# KiCad board VFDSAO.kicad_pcb (continued)
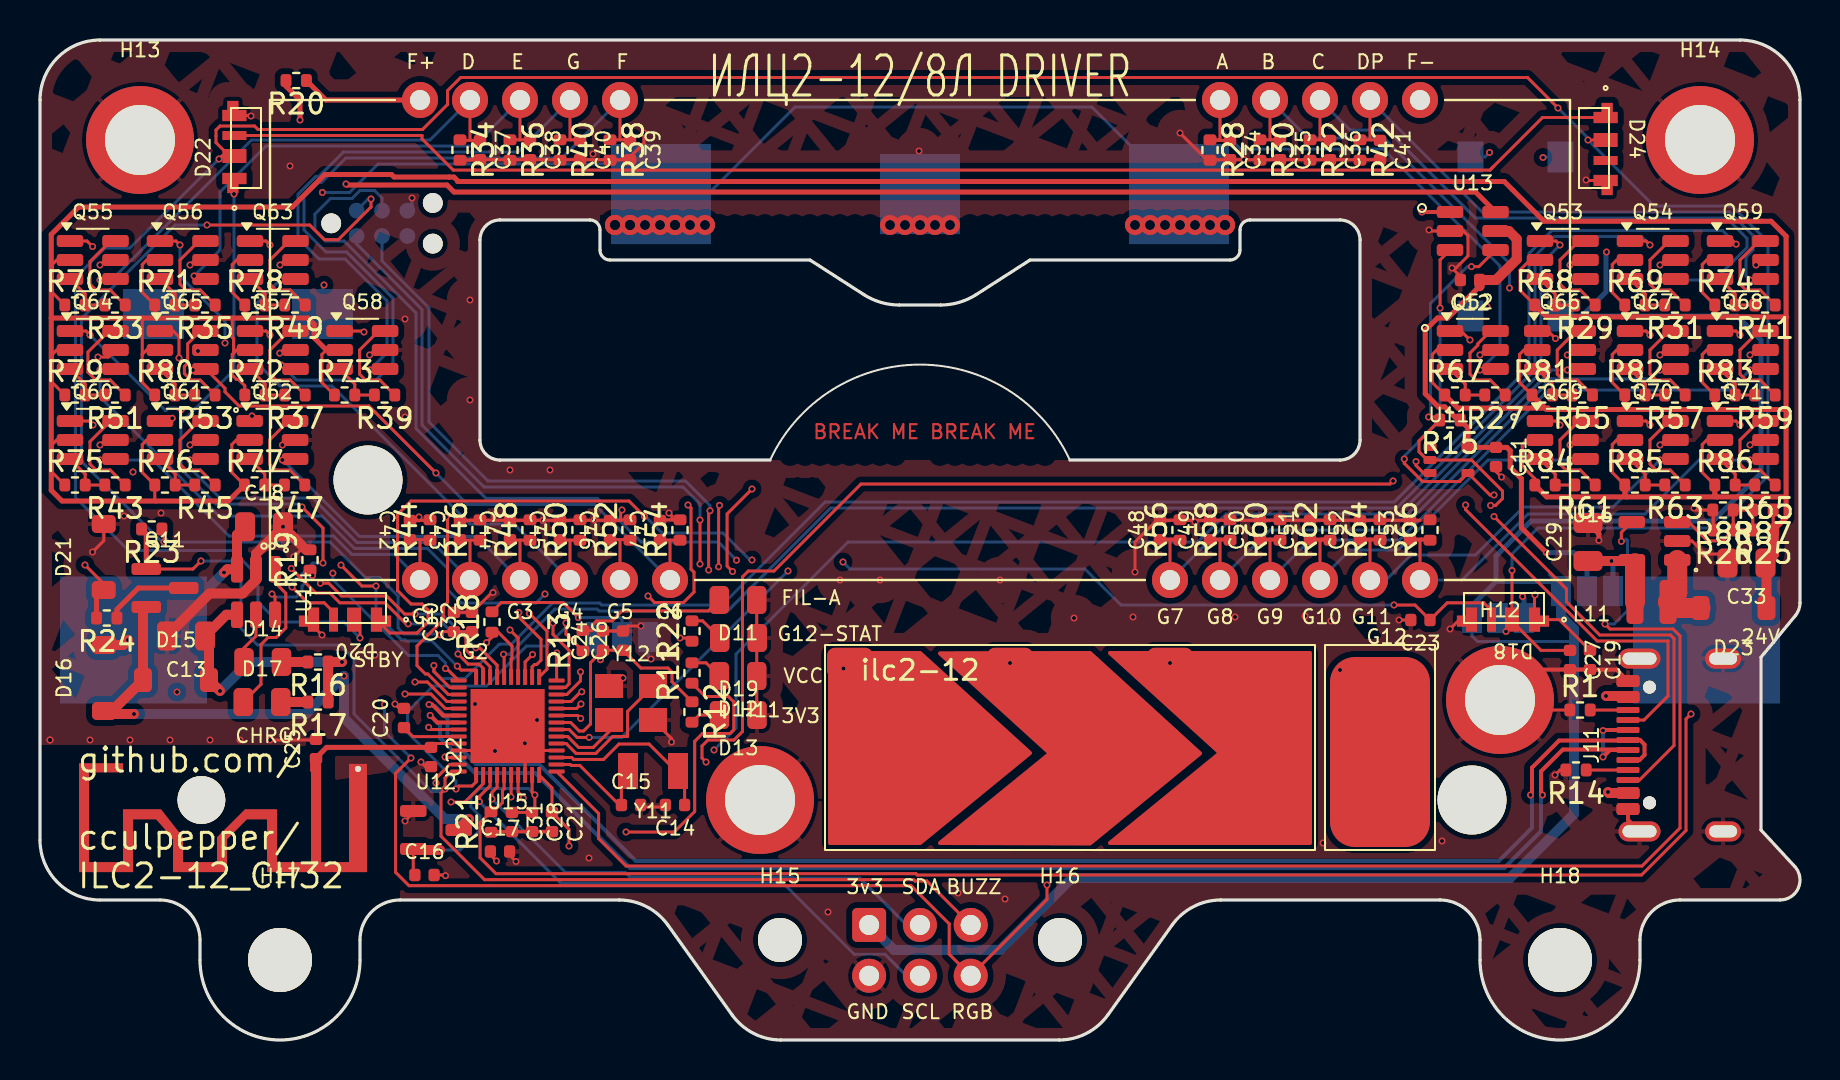
[diagram p0: board, top side]
## Nets
+3V3: C16.1 C24.1 C26.1 C28.1 C30.1 C31.1 C32.1 J12.1 J16.1 JP11.1 JP12.3 JP13.1 R12.1 R23.1 SW11.2 U12.2 U15.8 U15.22 U15.47
+5V: C13.1 D15.2 J11.A4 J11.A9 J11.B4 J11.B9 R16.1 R17.1 U14.4
+24V: C33.1 D23.1 Q52.2 Q53.2 Q54.2 Q55.2 Q56.2 Q57.2 Q58.2 Q59.2 Q60.2 Q61.2 Q62.2 Q63.2 Q64.2 Q65.2 Q66.2 Q67.2 Q68.2 Q69.2 Q70.2 Q71.2 R25.1 R67.1 R68.1 R69.1 R70.1 R71.1 R72.1 R73.1 R74.1 R75.1 R76.1 R77.1 R78.1 R79.1 R80.1 R81.1 R82.1 R83.1 R84.1 R85.1 R86.1 R87.1
/3v3_AN_A: Q52.1 U15.44
/3v3_AN_B: Q53.1 U15.45
/3v3_AN_C: Q54.1 U15.20
/3v3_AN_D: Q55.1 U15.21
/3v3_AN_DP: Q59.1 U15.26
/3v3_AN_E: Q56.1 U15.23
/3v3_AN_F: Q57.1 U15.24
/3v3_AN_G: Q58.1 U15.25
/3v3_G1: Q60.1 U15.17
/3v3_G2: Q61.1 U15.18
/3v3_G3: Q62.1 U15.13
/3v3_G4: Q63.1 U15.14
/3v3_G5: Q64.1 U15.15
/3v3_G6: Q65.1 U15.16
/3v3_G7: Q66.1 U15.27
/3v3_G8: Q67.1 U15.28
/3v3_G9: J11.B8 J12.2 Q68.1 U15.32
/3v3_G10: Q69.1 U15.29
/3v3_G11: Q70.1 R22.1 U15.37
/3v3_G12: J11.A8 J12.4 Q71.1 U15.36
GND: AE11.2 BT11.2 BTe11.2 BZ11.2 C11.2 C12.2 C13.2 C14.2 C15.2 C16.2 C17.2 C18.2 C19.2 C20.2 C21.2 C22.2 C23.2 C24.2 C25.2 C26.2 C27.2 C28.2 C29.2 C30.2 C31.2 C32.2 C33.2 C34.2 C35.2 C36.2 C37.2 C38.2 C39.2 C40.2 C41.2 C42.2 C43.2 C44.2 C45.2 C46.2 C47.2 C48.2 C49.2 C50.2 C51.2 C52.2 C53.2 D11.1 D12.1 D13.1 D18.4 D19.1 D20.4 D21.2 D22.4 D24.4 H11.1 H12.1 H13.1 H14.1 J11.A1 J11.A12 J11.B1 J11.B12 J11.S1 J12.5 J16.2 JP12.1 Q52.5 Q53.5 Q54.5 Q55.5 Q56.5 Q57.5 Q58.5 Q59.5 Q60.5 Q61.5 Q62.5 Q63.5 Q64.5 Q65.5 Q66.5 Q67.5 Q68.5 Q69.5 Q70.5 Q71.5 R1.1 R14.2 R19.2 R21.1 R26.2 R28.2 R30.2 R32.2 R34.2 R36.2 R38.2 R40.2 R42.2 R44.2 R46.2 R48.2 R50.2 R52.2 R54.2 R56.2 R58.2 R60.2 R62.2 R64.2 R66.2 R88.2 U11.3 U12.1 U13.2 U14.2 U15.4 U15.35 U15.46 U15.49 U16.2 Y12.2 Y12.4
VCC: C17.1 C29.1 D15.1 D16.1 JP11.3 JP13.3 L11.1 Q11.2 R11.1 U12.3 U16.5
+BATT: BT11.1 C18.1 D16.2 U14.3
/AnodeGateDrive1/OUT: C35.1 D25.7 Q53.4 R30.1
/AnodeGateDrive2/OUT: C36.1 D25.8 Q54.4 R32.1
/AnodeGateDrive3/OUT: C37.1 D25.2 Q55.4 R34.1
/AnodeGateDrive4/OUT: C38.1 D25.3 Q56.4 R36.1
/AnodeGateDrive5/OUT: C39.1 D25.5 Q57.4 R38.1
/AnodeGateDrive6/OUT: C40.1 D25.4 Q58.4 R40.1
/AnodeGateDrive7/OUT: C41.1 D25.9 Q59.4 R42.1
/AnodeGateDrive8/OUT: C42.1 D25.22 Q60.4 R44.1
/AnodeGateDrive9/OUT: C43.1 D25.21 Q61.4 R46.1
/AnodeGateDrive10/OUT: C44.1 D25.20 Q62.4 R48.1
/AnodeGateDrive11/OUT: C45.1 D25.19 Q63.4 R50.1
/AnodeGateDrive12/OUT: C46.1 D25.18 Q64.4 R52.1
/AnodeGateDrive13/OUT: C47.1 D25.17 Q65.4 R54.1
/AnodeGateDrive14/OUT: C48.1 D25.16 Q66.4 R56.1
/AnodeGateDrive15/OUT: C49.1 D25.15 Q67.4 R58.1
/AnodeGateDrive16/OUT: C50.1 D25.14 Q68.4 R60.1
/AnodeGateDrive17/OUT: C51.1 D25.13 Q69.4 R62.1
/AnodeGateDrive18/OUT: C52.1 D25.12 Q70.4 R64.1
/AnodeGateDrive19/OUT: C53.1 D25.11 Q71.4 R66.1
/AnodeGateDrive/OUT: C34.1 D25.6 Q52.4 R28.1
/BOOT0: R21.2 SW11.1 U15.43
/BOOT1: C19.1 D18.1 J16.6 R18.1 U15.19
/BZ_3v3: J16.5 Q11.1 R23.2 U15.38
/F+: D25.1 R20.1
/F-: D25.10 U13.1
/FIL_DRIVE_A: R13.1 R15.2 U11.2 U13.4 U15.39
/FIL_DRIVE_B: U11.4 U13.3 U15.40
/FIL_SUP: C11.1 C12.1 JP11.2 R15.1 U11.5 U13.5
/I2C_SCL: J16.4 U15.41
/I2C_SDA: J16.3 U15.42
/RGB_SUP: C27.1 D18.2 D20.2 D22.2 D24.2 JP13.2
/RST: J12.3 U15.7
/TOUCH1: J14.1 U15.9
/TOUCH2: J14.2 U15.10
/TOUCH3: J14.3 U15.11
/TOUCH4: J15.1 U15.12
/USB+: J11.A6 J11.B6 U15.31
/USB-: J11.A7 J11.B7 U15.30
/V_HI_EN: U15.1 U16.4
Net-(AE11-A): AE11.1 C22.1 C25.1 U15.34
Net-(BTe11-+): BTe11.1 C21.1 U15.48
Net-(BZ11-+): BZ11.1 D21.1 R24.2
Net-(D11-A): D11.2 R13.2
Net-(D12-A): D12.2 R11.2
Net-(D13-A): D13.2 R12.2
Net-(D14-A): D14.2 R16.2
Net-(D14-K): D14.1 U14.5
Net-(D17-A): D17.2 R17.2
Net-(D17-K): D17.1 U14.1
Net-(D18-DOUT): C23.1 D18.3 D20.1
Net-(D19-A): D19.2 R22.2
Net-(D20-DOUT): D20.3 D22.1
Net-(D22-DOUT): D22.3 D24.1
Net-(D23-A): D23.2 L11.2 U16.1
Net-(J11-CC1): J11.A5 R14.1
Net-(J11-CC2): J11.B5 R1.2
Net-(JP12-C): JP12.2 R18.2
Net-(Q11-D): Q11.3 R24.1
Net-(Q52A-D): Q52.6 R27.1
Net-(Q52B-G): Q52.3 R27.2 R67.2
Net-(Q53A-D): Q53.6 R29.1
Net-(Q53B-G): Q53.3 R29.2 R68.2
Net-(Q54A-D): Q54.6 R31.1
Net-(Q54B-G): Q54.3 R31.2 R69.2
Net-(Q55A-D): Q55.6 R33.1
Net-(Q55B-G): Q55.3 R33.2 R70.2
Net-(Q56A-D): Q56.6 R35.1
Net-(Q56B-G): Q56.3 R35.2 R71.2
Net-(Q57A-D): Q57.6 R37.1
Net-(Q57B-G): Q57.3 R37.2 R72.2
Net-(Q58A-D): Q58.6 R39.1
Net-(Q58B-G): Q58.3 R39.2 R73.2
Net-(Q59A-D): Q59.6 R41.1
Net-(Q59B-G): Q59.3 R41.2 R74.2
Net-(Q60A-D): Q60.6 R43.1
Net-(Q60B-G): Q60.3 R43.2 R75.2
Net-(Q61A-D): Q61.6 R45.1
Net-(Q61B-G): Q61.3 R45.2 R76.2
Net-(Q62A-D): Q62.6 R47.1
Net-(Q62B-G): Q62.3 R47.2 R77.2
Net-(Q63A-D): Q63.6 R49.1
Net-(Q63B-G): Q63.3 R49.2 R78.2
Net-(Q64A-D): Q64.6 R51.1
Net-(Q64B-G): Q64.3 R51.2 R79.2
Net-(Q65A-D): Q65.6 R53.1
Net-(Q65B-G): Q65.3 R53.2 R80.2
Net-(Q66A-D): Q66.6 R55.1
Net-(Q66B-G): Q66.3 R55.2 R81.2
Net-(Q67A-D): Q67.6 R57.1
Net-(Q67B-G): Q67.3 R57.2 R82.2
Net-(Q68A-D): Q68.6 R59.1
Net-(Q68B-G): Q68.3 R59.2 R83.2
Net-(Q69A-D): Q69.6 R61.1
Net-(Q69B-G): Q69.3 R61.2 R84.2
Net-(Q70A-D): Q70.6 R63.1
Net-(Q70B-G): Q70.3 R63.2 R85.2
Net-(Q71A-D): Q71.6 R65.1
Net-(Q71B-G): Q71.3 R65.2 R86.2
Net-(U13-OUT_A): R20.2 U13.6
Net-(U14-PROG): R19.1 U14.6
Net-(U15-OSC_IN): U15.5 Y12.3
Net-(U15-OSC_OUT): U15.6 Y12.1
Net-(U15-PC14/OSC32_IN): C15.1 U15.2 Y11.1
Net-(U15-PC15/OSC32_OUT): C14.1 U15.3 Y11.2
Net-(U15-VINTA): C20.1 U15.33
Net-(U16-FB): R25.2 R26.1 R87.2 R88.1 U16.3

Pads without a net: D24 3; J12 6; U11 1

## Via types
v1: diameter 0, hole 0.5, Top to Bottom, 44 vias
v2: diameter 0.35, hole 0.2, Top to Bottom, 273 vias
v3: diameter 1, hole 0.5, Top to Bottom, 23 vias

## Routing (per net, layer and track width the routed paths; a pad name or vN(x,y) marks a point on that pad's centre or on a via; arc(x,y) is an arc through that point)
+3V3: length 230.1
  Top w0.15: U15.47 24.61,12.39 v2(24.74,12.25) 24.74,11.52 C28.1 C31.1 ; v2(8.35,40.75) 13.48,40.75 14.22,40.01 14.91,40.01 16.55,41.65 v2(16.55,42.05) ; v2(20.02,20.25) 20.18,20.42 C30.1 C32.1 21.29,20.11 21.29,19.51 21.7,19.1 22.07,19.1 22.5,18.66 U15.22 ; R12.1 31.6,17.91 31.6,18.4 31.4,18.6 30.04,18.6 C26.1 C24.1 27.53,18.86 27.53,15.8 27.18,15.45 26.96,15.45 26.53,15.88 U15.8 ; U12.2 18.66,8.33 C16.1 ; v2(6.2,24.9) 6.2,25.45 R23.1
  Top w0.5: U12.2 18.71,9.5 v2(20,9.5)
  In1.Cu w0.15: v2(20.02,20.25) 20.13,20.37 22.48,20.37 22.95,19.9 27.13,19.9 v2(28.02,19.01)
  In2.Cu w0.15: v2(28.02,19.01) 27.91,18.9 26.84,18.9 23.25,15.31 23.25,14.55 24.74,13.06 v2(24.74,12.25)
  In2.Cu w0.25: v2(75.15,44.12) 75.15,42.58 v2(78.32,39.4)
  In2.Cu w0.5: v2(20,9.5) 21.6,7.9 39.31,7.9 J16.1
  Bottom w0.15: JP13.1 71.6,20.2 71.88,19.92 76.68,19.92 76.7,19.9 ; 75.47,23.28 76.05,22.7 JP11.1 ; v2(24.74,12.25) 24.42,12.58 21.97,12.58 21.54,12.14 21.54,11.66 22,11.2 22,10.5 21,9.5 v2(20,9.5) ; J12.1 16.41,42.05 v2(16.55,42.05) ; v2(8.35,40.75) 6.75,40.75 2.08,36.08 2.08,28.97 2.1,28.95 2.1,28.9 4.6,26.4 4.6,26.39 6.09,24.9 v2(6.2,24.9) 6.33,25.03 6.45,24.9 14.5,24.9 16.28,23.12 16.98,23.12 17.91,22.19 17.91,20.6 18.2,20.31 19.96,20.31 v2(20.02,20.25) ; v2(28.02,19.01) 27.8,19.23 JP12.3 ; v2(75.15,44.12) 75.18,44.15 SW11.2
  Bottom w0.25: 72.8,22.92 75.57,22.92 JP11.1 ; 72.8,22.92 72.8,24.2 74.55,25.95 83.66,25.95 86.05,28.34 86.05,35 84.85,36.2 SW11.2 77.1,36.2 78.3,37.4 78.3,39.38 v2(78.32,39.4) ; 72.8,22.92 71.6,21.72 JP13.1
  Bottom w0.5: J16.1 42.7,4.5 48,4.5 51.6,8.1 73.5,8.1 76.7,11.3 76.7,20.54 76.05,21.19 JP11.1
+5V: length 92.6
  Top w0.5: v2(78.3,17.2) 79.35,17.2 J11.A9 ; R17.1 R16.1 v2(15.1,18.9) ; v2(78.4,12.4) 78.45,12.35 J11.A4 ; U14.4 9.31,21.26 C13.1 8.45,20 D15.2 v2(9,17.45)
  In2.Cu w0.5: v2(15.1,18.9) 15.1,21.95 17.85,24.7 34.18,24.7 34.25,24.62 70.45,24.62 77.88,17.2 v2(78.3,17.2) 79.2,16.3 79.2,13.2 v2(78.4,12.4)
  Bottom w0.5: v2(15.1,18.9) 10.45,18.9 v2(9,17.45)
+24V: length 266.7
  Top w0.15: 9.64,34.31 9.84,34.5 Q57.2 ; 9.64,34.31 9.61,34.27 9.61,33.24 9.83,33.03 9.92,33.03 10.24,32.71 R72.1 ; 9.64,34.31 9.67,34.34 9.67,35.08 9.61,35.14 9.61,36.06 9.65,36.1 ; R82.1 78.61,32.88 78.61,34.27 78.84,34.5 Q67.2 ; R75.1 0.61,28.38 0.61,29.77 0.84,30 Q60.2 ; R80.1 5.11,32.88 5.11,34.27 5.33,34.5 Q65.2 ; R69.1 78.61,37.38 78.61,38.77 78.84,39 Q54.2 ; R70.1 0.61,37.38 0.61,38.77 0.84,39 Q55.2 ; R68.1 74,37.49 74,38.5 74.5,39 Q53.2 ; 5.8,26.95 5.74,27.01 R76.1 5.11,28.38 5.11,29.77 5.34,30 Q61.2 ; Q69.2 74.34,30 74.11,29.77 74.11,28.7 74.74,28.07 R84.1 ; Q59.2 83.34,39 83.11,38.77 83.11,37.38 R74.1 ; R79.1 0.61,32.88 0.61,34.27 0.84,34.5 Q64.2 ; R85.1 78.61,28.38 78.61,29.77 78.84,30 Q70.2 ; 14.32,34.5 14.09,34.27 14.09,32.88 R73.1 ; Q63.2 9.84,39 9.61,38.77 9.61,37.38 R78.1 10.24,36.14 10.2,36.1 ; 5.11,34.27 5.11,36.06 5.15,36.1 ; Q52.2 69.84,34.5 69.61,34.27 69.61,32.88 R67.1 ; R86.1 83.11,28.38 83.11,29.77 83.34,30 Q71.2 ; 5.75,36.1 5.74,36.11 R71.1 5.11,37.38 5.11,38.77 5.34,39 Q56.2 ; R81.1 73.97,32.88 73.97,34.27 74.2,34.5 Q66.2 ; R87.1 86.66,25.53 R25.1 ; R77.1 9.59,28.38 9.59,29.77 9.82,30 Q62.2 ; R83.1 83.11,32.88 83.11,34.27 83.34,34.5 Q68.2
  Top w0.25: R86.1 83.74,27.27 83.85,27.16 ; Q58.2 14.32,34.5 13.71,35.11 13.71,35.78 13.39,36.1 0.56,36.1 ; R77.1 9.42,26.95 1.1,26.95 0.56,27.49 0.56,36.1 ; 20.92,42.92 20.7,43.14 20.45,43.14 20.45,43.15 17.7,43.15 17.58,43.28 14.24,43.28 12.62,41.65 1.93,41.65 0.56,40.28 0.56,36.1 ; 20.92,42.92 73.21,42.92 75.2,40.94 86.56,40.94 87.31,40.19 87.31,36.15 ; 20.92,42.92 20.88,42.92 ; 79.32,27.16 79.24,27.24 R85.1 ; 79.32,27.16 75.34,27.16 R84.1 ; 79.32,27.16 83.85,27.16 ; 75.47,31.53 75.33,31.53 R81.1 ; 75.47,31.53 75.41,31.59 70.89,31.59 R67.1 ; 75.47,31.53 79.2,31.53 ; 79.1,36.16 83.85,36.16 ; 79.1,36.16 75.34,36.16 R68.1 ; 79.1,36.16 79.24,36.3 R69.1 ; 83.85,36.16 83.74,36.27 R74.1 ; 83.85,36.16 87.3,36.16 87.31,36.15 ; 83.88,31.53 83.74,31.66 R83.1 ; 83.88,31.53 79.2,31.53 ; 83.88,31.53 87.28,31.53 87.31,31.55 ; 83.85,27.16 87.3,27.16 87.31,27.15 ; 87.31,27.15 87.31,26.12 R25.1 86.69,25.69 ; 87.31,27.15 87.31,31.55 ; 87.31,31.55 87.31,36.15 ; 79.2,31.53 79.24,31.56 R82.1
  Top w0.5: R25.1 86.69,24.26 86.28,23.85 ; 86.32,21.6 86.32,23.8
/3v3_AN_A: length 69.7
  Top w0.15: v2(33.3,13.9) 33.1,14.1 33.1,14.7 33.4,15 34.7,15 35.12,15.42 35.12,23.16 35.42,23.45 36.7,23.45 41.05,27.8 67.5,27.8 v2(67.65,27.95) ; v2(71.5,35) 71.05,35.45 Q52.1 ; v2(23.55,12.15) 23.56,12.16 23.56,13.25
  In2.Cu w0.15: v2(67.65,27.95) 67.76,27.85 70.37,27.85 70.89,28.37 70.89,32.86 71.5,33.47 v2(71.5,35) ; v2(23.55,12.15) 23.55,12 24.2,11.35 28.77,11.35 29.22,10.9 30.31,10.9 v2(33.3,13.9)
/3v3_AN_B: length 71.9
  Top w0.15: v2(76,39.75) 75.8,39.95 Q53.1 ; v2(24.16,12.1) 24.16,12.14 23.91,12.4 U15.45
  In2.Cu w0.15: v2(24.16,12.1) 24.16,12.04 24.55,11.65 28.9,11.65 29.35,11.2 29.9,11.2 33.3,14.6 33.7,14.6 v2(33.7,14.5)
  Bottom w0.15: v2(33.7,14.5) 34.8,15.6 34.8,19.3 40.4,24.9 57.9,24.9 59.3,26.3 67.96,26.3 75.05,33.39 75.05,38.8 v2(76,39.75)
/3v3_AN_C: length 71.8
  Top w0.15: v2(23.17,19.29) 23.2,19.26 U15.20 ; Q54.1 80.3,39.95 v2(80.5,39.75)
  Bottom w0.15: v2(80.5,39.75) 80.07,40.17 75.72,40.17 74.75,39.21 74.75,33.51 67.84,26.6 39.53,26.6 34.38,21.45 27.95,21.45 27.85,21.55 25.75,21.55 23.49,19.29 v2(23.17,19.29)
/3v3_AN_D: length 35.5
  Top w0.15: Q55.1 2.35,39.95 v2(2.63,39.67) ; 22.86,18.15 22.86,18.74 21.99,19.61 v2(21.79,19.61) ; v2(18.75,21.3) 18.23,21.3 17.33,22.2 15.07,22.2 14.44,22.84 v2(14.02,22.84)
  In2.Cu w0.15: 2.62,39.67 3.81,39.67 11.1,32.38 11.1,24.33 12.33,23.09 13.04,23.09 13.41,22.72 13.9,22.72 14.01,22.84
  Bottom w0.15: v2(21.79,19.61) 20.1,21.3 v2(18.75,21.3)
/3v3_AN_DP: length 81.3
  Top w0.15: Q59.1 84.65,39.95 v2(84.81,39.79) ; v2(19.69,18.73) 19.69,18.42 20.49,17.62 U15.26
  Bottom w0.15: 75.32,40.2 75.59,40.47 84.12,40.47 v2(84.81,39.79) ; 75.32,40.2 74.45,39.33 74.45,33.64 67.71,26.9 39.26,26.9 34.11,21.75 28.08,21.75 27.98,21.85 25.62,21.85 23.56,19.79 22.96,19.79 21.25,18.07 20.07,18.07 19.69,18.45 v2(19.69,18.73) ; 75.32,40.2 75.32,40.21
/3v3_AN_E: length 32.3
  Top w0.15: v2(20.9,19.3) 21.41,18.8 21.93,18.8 21.95,18.78 21.97,18.78 22.16,18.59 U15.23 ; v2(12.56,23.58) 13.79,22.35 14.5,22.35 14.99,21.86 17.25,21.86 18.3,20.81 v2(18.41,20.81) ; v2(7,39.75) 6.8,39.95 Q56.1
  In2.Cu w0.15: v2(9.25,34.85) 9.58,34.85 10.3,34.13 10.3,34.08 11.5,32.88 11.5,24.72 12.56,23.66 v2(12.56,23.58)
  Bottom w0.15: v2(20.9,19.3) 20.9,20.08 20.17,20.81 v2(18.41,20.81) ; v2(9.25,34.85) 9.25,35.95 7,38.2 v2(7,39.75)
/3v3_AN_F: length 24.3
  Top w0.15: v2(20.86,18.69) 21.06,18.5 21.81,18.5 U15.24 ; Q57.1 11.3,35.45 v2(11.5,35.25) ; v2(16.8,22.7) 16.1,22.7 v2(15.05,23.75)
  In2.Cu w0.15: v2(11.5,35.25) 11.79,35.25 13.9,33.14 13.9,25.37 15.05,24.22 v2(15.05,23.75)
  Bottom w0.15: v2(20.86,18.69) 19.6,19.95 18.31,19.95 18.26,20.01 18.08,20.01 16.8,21.28 v2(16.8,22.7)
/3v3_AN_G: length 29.6
  Top w0.15: Q58.1 16.15,35.45 v2(16.2,35.4) ; v2(20.27,18.57) 20.33,18.57 U15.25
  In2.Cu w0.15: v2(16.2,35.4) 15.9,35.7 11.15,35.7 10.6,35.15 10.6,34.2 12.62,32.17 12.62,26.22 ; 12.62,26.22 14.62,24.23 14.62,23.36 v2(14.64,23.34) ; 12.62,26.22 12.6,26.25
  Bottom w0.15: v2(14.64,23.34) 14.64,23.02 18.43,19.23 19.9,19.23 20.27,18.85 v2(20.27,18.57)
/3v3_G1: length 36.1
  Top w0.15: U15.17 24.25,18.91 v2(24.62,19.28) ; Q60.1 2.45,30.95 v2(2.65,30.75)
  In2.Cu w0.15: v2(2.65,30.75) 2.35,30.45 2.35,26.56 13.36,15.55 16.95,15.55 17.47,15.03 21.15,15.03 24.62,18.5 v2(24.62,19.28)
/3v3_G2: length 32
  Top w0.15: v2(6.61,31.09) 6.47,30.95 Q61.1 ; U15.18 23.91,20.09 v2(23.5,20.5)
  In2.Cu w0.15: v2(23.5,20.5) 21.39,20.5 20.09,19.2 18.93,19.2 16.3,16.58 13.87,16.58 6.77,23.67 6.77,30.92 v2(6.61,31.09)
/3v3_G3: length 33
  Top w0.15: Q62.1 10.6,31.07 v2(10.6,31.2) ; U15.13 26.27,17.62 26.45,17.81 26.45,19.48 25.65,20.28 v2(25.65,20.85)
  In2.Cu w0.15: v2(25.65,20.85) 24.62,21.88 20.15,21.88 15.98,17.7 14.12,17.7 10.6,21.22 v2(10.6,31.2)
/3v3_G4: length 56.6
  Top w0.15: Q63.1 11.3,39.95 v2(11.5,39.75) ; U15.14 25.83,19.34 v2(25.84,19.35)
  In2.Cu w0.15: v2(11.5,39.75) 8.64,39.75 7.94,40.45 2.7,40.45 2.05,39.8 2.05,26.25 13.05,15.25 16.82,15.25 17.37,14.7 21.34,14.7 25.84,19.2 v2(25.84,19.35)
/3v3_G5: length 41
  Top w0.15: U15.15 25.35,18.55 25.35,20.44 v2(24.47,21.32) ; v2(2.5,35.25) 2.3,35.45 Q64.1
  In2.Cu w0.15: v2(7.07,31.52) 7.08,31.52 7.08,23.8 13.98,16.9 16.2,16.9 18.8,19.5 19.97,19.5 21.44,20.97 23.72,20.97 23.83,20.88 24.15,20.88 24.47,21.2 v2(24.47,21.32)
  Bottom w0.15: v2(2.5,35.25) 6.28,31.47 6.4,31.59 6.82,31.59 6.88,31.53 6.93,31.53 6.93,31.52 v2(7.07,31.52)
/3v3_G6: length 37.4
  Top w0.15: 6,35.45 6.66,35.45 6.95,35.16 v2(6.95,34.1) ; U15.16 24.61,18.65 24.73,18.78 24.83,18.78 25.05,18.99 25.05,20.04 23.94,21.15 v2(23.94,21.38)
  In2.Cu w0.15: 10.3,21.1 10.3,29.7 6.95,33.05 v2(6.95,34.1) ; 23.93,21.38 20.25,21.38 16.17,17.3 14.09,17.3 10.3,21.1
/3v3_G7: length 75.1
  Top w0.15: v2(75.78,35.08) 75.4,35.45 Q66.1 ; U15.27 20.42,17.28 19.39,18.3 19.27,18.3 18.85,18.72 18.85,19.7 20.17,21.02 20.17,21.67 20.38,21.89 20.38,26.08 v2(20.3,26.15)
  In2.Cu w0.15: v2(75.78,35.08) 75.18,35.67 71.32,35.67 69.95,34.3 69.95,28.35 67.96,28.35 67.86,28.45 67.45,28.45 66.94,27.95 35.8,27.95 35.78,27.97 35.21,27.97 34.86,27.62 21.78,27.62 v2(20.3,26.15)
/3v3_G8: length 76.7
  Top w0.15: v2(80.5,35.25) 80.3,35.45 Q67.1 ; U15.28 20.34,16.92 19.37,17.9 v2(18.75,17.9) ; v2(35.6,27.55) 34.36,26.31 34.36,23.69 v2(34.63,23.42)
  In2.Cu w0.15: v2(18.75,17.9) 18.93,17.72 22.5,17.72 23.6,18.83 23.6,19.91 23.79,20.1 ; v2(35.6,27.55) 67.46,27.55 67.48,27.53 70.47,27.53 74.61,31.67 77.04,31.67 80.5,35.12 ; 23.8,20.1 24.1,20.4 27.01,20.4 27.33,20.72 28.32,20.72 30.3,22.71 30.3,23.7 30.83,24.22 33.97,24.22 34.63,23.57 v2(34.63,23.42)
/3v3_G9: length 131.7
  Top w0.15: v2(85,35.25) 84.8,35.45 Q68.1 ; v2(19.43,15.64) 19.54,15.53 U15.32 ; v2(33,23.8) v2(33,26) ; v2(72.7,26.17) 76.32,22.55 76.32,21.91 77.98,20.25 81.52,20.25 81.7,20.07 81.7,14.73 79.97,13 J11.B8
  In2.Cu w0.15: 71.85,27.07 72.48,27.7 82.55,27.7 85.44,30.59 85.44,32.95 85,33.39 v2(85,35.25) ; 71.85,27.07 71.85,26.81 72.48,26.17 v2(72.7,26.17) ; 71.85,27.07 71.85,26.48 71.7,26.33 66.98,26.33 66.96,26.35 36.38,26.35 35.88,25.85 33.15,25.85 v2(33,26) ; v2(33,23.8) 33,22.45 30.67,20.12 27.58,20.12 27.26,19.8 24.35,19.8 24.2,19.65 24.2,18.54 21.29,15.64 v2(19.43,15.64)
  Bottom w0.15: v2(33,26) 33,26.8 32.15,27.65 22.2,27.65 19.1,30.75 19.1,36.53 15.83,39.8 J12.2
/3v3_G10: length 71.4
  Top w0.15: v2(30.4,22.2) 30.72,21.88 32.17,21.88 32.7,22.4 32.7,23.39 32.55,23.54 32.55,26.6 v2(32.4,26.75) ; U15.29 20.27,16.58 19.54,17.3 v2(18.25,17.3) ; Q69.1 75.8,30.95 v2(76,30.75)
  In2.Cu w0.15: v2(32.4,26.75) 32.84,26.75 33.25,27.15 33.79,27.15 33.8,27.16 34.15,27.16 34.16,27.15 34.68,27.15 34.79,27.05 35.81,27.05 36.01,27.25 67.33,27.25 67.35,27.23 70.6,27.23 74.12,30.75 v2(76,30.75) ; v2(18.25,17.3) 22.5,17.3 23.9,18.7 23.9,19.78 24.22,20.1 27.13,20.1 27.46,20.42 28.62,20.42 v2(30.4,22.2)
/3v3_G11: length 74.6
  Top w0.15: v2(32,20.1) 32.44,20.1 R22.1 ; v2(80.5,30.75) 80.3,30.95 Q70.1 ; v2(19.8,12.85) 19.8,13.09 20.49,13.78 U15.37 ; v2(33.93,23.66) 33.93,26.69 v2(33.97,26.73)
  In2.Cu w0.15: v2(19.8,12.85) 19.8,13 20.45,13.65 21.17,13.65 26.72,19.2 27.5,19.2 27.83,19.53 31.42,19.53 v2(32,20.1) 33.93,22.03 v2(33.93,23.66) ; v2(33.97,26.73) 34.23,26.47 35.66,26.47 36.13,26.95 67.21,26.95 67.23,26.93 70.72,26.93 72.74,28.95 72.85,28.95 73.6,29.7 75.75,29.7 76.8,30.75 v2(80.5,30.75)
/3v3_G12: length 121.3
  Top w0.15: v2(33.5,26.46) 33.43,26.39 v2(33.43,23.5) ; U15.36 20.28,14.12 v2(20.25,14.15) ; v2(71.28,26.75) 71.28,26.52 75.99,21.81 76,21.81 77.86,19.95 81.4,19.95 81.4,17.2 80.2,16 J11.A8 ; Q71.1 84.8,30.95 v2(85,30.75)
  In2.Cu w0.15: v2(20.25,14.15) 21.24,14.15 26.59,19.5 27.38,19.5 27.7,19.83 30.8,19.83 33.43,22.46 v2(33.43,23.5) ; 71.15,26.63 67.1,26.63 67.08,26.65 36.26,26.65 35.76,26.15 33.81,26.15 v2(33.5,26.46) ; 71.15,26.63 v2(71.28,26.75) 71.28,26.92 72.57,28.22 72.57,28.36 72.79,28.58 78.22,28.58 79.82,30.17 84.43,30.17 v2(85,30.75) ; 71.15,26.63 70.65,26.63
  Bottom w0.15: J12.4 17.1,38.95 19.45,36.6 19.45,30.9 22.4,27.95 32.27,27.95 33.5,26.72 v2(33.5,26.46)
GND: length 157
  Top w0.15: 29.03,26.01 29,25.98 27.72,25.98 v2(27.7,26) 27.68,25.98 v2(25.15,25.98) 22.65,25.98 ; 29.03,26.01 R52.2 ; 29.03,26.01 29.03,26.43 v2(29.1,26.5) ; Q58.5 16.73,34.5 v2(16.48,34.25) ; v2(81,38.75) 81.25,39 81.78,39 ; C22.2 19.28,13.67 v2(19.05,13.9) ; v2(2.62,24.4) 3.19,24.96 D21.2 ; v2(76.5,38.75) 76.75,39 77.28,39 ; v2(11.99,34.34) 12.14,34.5 Q57.5 ; v2(3,29.75) 3.25,30 Q60.5 ; Q62.5 12.37,30 v2(12.12,29.75) ; v2(14.1,20.25) 13.67,20.67 D20.4 ; U12.1 18.66,11.36 v2(18.25,10.95) ; R54.2 31.6,26.01 ; 31.6,26.01 31.03,26.01 C47.2 ; 31.6,26.01 31.6,26.2 v2(31.45,26.35) ; 23.6,9.12 v2(23.8,8.92) ; 83.66,25.5 83.66,26.47 R88.2 82.8,26.5 v2(82.7,26.6) ; C24.2 C26.2 29.4,20.7 v2(30.05,20.7) ; C41.2 58.33,44.02 v2(57,45.35) ; R34.2 21.97,43.99 C37.2 ; v2(85.5,34.25) 85.75,34.5 86.28,34.5 ; v2(85.5,29.75) 85.75,30 86.28,30 ; C21.2 22.58,10.42 R21.1 ; C30.2 C32.2 22.59,22.38 v2(22.65,22.38) ; v2(70.5,20.55) 70.97,21.02 71.58,21.02 ; D11.1 35.84,16.26 D13.1 ; Q61.5 7.75,30 v2(7.5,29.75) ; v2(31.58,14.9) 31.58,15.08 Y12.2 ; v2(68.8,28.92) 68.8,28.73 69.18,28.35 U11.3 ; v2(73.07,28.15) 72.8,28.42 C11.2 ; D24.4 77.32,42.97 v2(77.3,43) ; v2(17.75,16.8) 17.97,16.58 C20.2 ; v2(24.24,14.84) 22.28,16.8 v2(21.75,16.8) ; v2(24.24,14.84) 24.61,14.47 U15.4 ; v2(24.24,14.84) U15.49 ; Q63.5 12.25,39 v2(12,38.75) ; 86.28,39 86.05,39 v2(85.8,38.75) ; Q66.5 76.61,34.5 v2(76.36,34.25) ; Q64.5 3.42,34.15 v2(2.9,34.15) ; 81.78,30 81.25,30 v2(81,29.75) ; v2(11.5,15) 13.77,15 C25.2 ; 77.28,30 76.75,30 v2(76.5,29.75) ; v2(22.75,26.3) 22.65,26.2 22.65,25.98 ; H12.1 73.5,16.5 R1.1 ; R14.2 76,13.5 v2(75.75,13.25) ; C23.2 v2(67.95,21) ; C12.2 71.02,38.18 v2(70.6,38.6) 70.8,38.6 71.4,39.2 71.4,40.21 71.16,40.45 U13.2 69.5,40.45 v2(69.45,40.5) ; R44.2 19.47,25.98 C42.2 ; v2(7.5,38.75) 7.75,39 Q56.5 ; U15.49 22.16,14.47 U15.35 ; U15.49 24.25,14.83 U15.46 ; D22.4 10.53,46.23 v2(10.55,46.2) ; R19.2 13.04,24.51 v2(12.7,24.16) ; U16.2 82.6,24.95 v2(83.25,24.3) 83.93,24.3 C33.2 ; C42.2 18.78,25.98 v2(18.95,26.15) ; C42.2 19,25.98 ; v2(7.9,34.45) 7.95,34.5 8.28,34.5 ; v2(72,34.25) 72.25,34.5 Q52.5 ; v2(81,34.25) 81.25,34.5 81.78,34.5 ; 22.65,25.98 21.5,25.98 ; v2(30.2,45.35) 30.2,44.85 29.37,44.02 21.5,44.02 ; C43.2 21.97,25.98 R46.2 ; Q55.5 3.25,39 v2(3,38.75) ; v2(20.28,8.22) 20.24,8.25 C16.2 ; v2(29.15,18.1) 28.75,17.7 Y12.4 ; 31.27,11.65 30.03,11.65 ; v2(54.75,23.4) 54.75,24.9 55.83,25.98 69,25.98
  Top w0.2: H12.1 74.52,18.52 C19.2 78.83,18.52 J11.A12 ; J11.S1 79.4,11 J11.A1
  Top w0.25: C29.2 77.94,25.31 v2(77.94,24.98)
  Top w0.5: R19.2 13.3,24.51 v2(12.15,25.66) 10.8,24.31 U14.2 10.8,23 10.12,22.33 8.47,22.33 C13.2
  In2.Cu w0.15: v2(29.15,18.1) 29.1,18.1 28.98,17.98 26.83,17.98 v2(24.85,16) 24.24,15.39 v2(24.24,14.84)
  Bottom w0.15: v2(18.6,42.1) 18.6,41.7 J12.5 ; v2(43.95,44.45) 44,44.4 BTe11.2 ; JP12.1 30.4,19.2 v2(30.55,19.05) ; v2(24.24,14.84) 23.14,14.84 v2(22.75,14.45)
  vias: v2(0.5,15) v2(0.5,15) v2(2.5,15) v2(4.2,26.2) v2(4.5,15) v2(4.65,28.4) v2(6.05,26.35) v2(6.5,15) v2(8.5,15) v2(10,15) v2(12.5,43.7) v2(16.75,19.25) v2(18.25,36.05) v2(18.25,31.15) v2(21.5,37) v2(21.5,32) v2(23.5,28.5) v2(25.5,28.5) v2(27.45,9.1) v2(27.65,44.3) v2(39.4,6.4) v2(40,23) v2(42,23) v2(45.9,7.35) v2(48,23) v2(48.25,7.05) v2(51.7,21.1) v2(54.65,21.15) v2(57.75,25.9) v2(59.75,21.15) v2(60.2,44.02) v2(63.25,21.2) v2(64.15,9.85) v2(64.55,20.95) v2(70.1,9.95) v3(42.5,40.75) v3(43.25,40.75) v3(44,40.75) v3(44.75,40.75) v3(45.5,40.75)
VCC: length 136.8
  Top w0.15: v2(29.3,10.4) 31.71,10.4 32.73,11.42 32.73,14.94 33.12,15.33 34.5,15.33 34.69,15.51 34.69,16.91 34.42,17.17 33.27,17.17 R11.1 ; C17.1 22.52,9.25 v2(22.83,8.95)
  Top w0.5: C29.1 v2(78.57,23.95) 79.54,23.95 U16.5 ; v2(4.7,16.3) 3.35,16.3 D16.1 3.6,16.45 D15.1 5.15,21.49 Q11.2 ; 20.9,10.5 v2(21.45,11.05)
  Top w1: L11.1 79.75,23.84
  In1.Cu w0.15: v2(21.45,11.05) 21.45,10.33 v2(22.83,8.95)
  In2.Cu w0.15: v2(21.45,11.05) 28.65,11.05 v2(29.3,10.4)
  In2.Cu w0.25: v2(74.12,22.17) 74.12,25.03 74.3,25.2
  In2.Cu w0.5: v2(15.2,18.2) 14.51,18.2 13.3,19.41 13.3,21.07 17.6,25.38 34.46,25.38 34.56,25.28 70.72,25.28 70.8,25.2 76.77,25.2 77.66,24.31 78.22,24.31 v2(78.57,23.95)
  Bottom w0.25: v2(74.12,22.17) 74.2,22.1 JP13.3 ; JP11.3 78.65,23.88 v2(78.57,23.95)
  Bottom w0.5: v2(21.45,11.05) 20.25,11.05 15.2,16.1 v2(15.2,18.2) 13.3,16.3 v2(4.7,16.3)
(no net):
  vias: v1(34,40.75) v1(34.75,40.75) v1(34.75,39.5) v1(35.5,40.75) v1(36.25,40.75) v1(37,40.75) v1(37.5,29.25) v1(37.75,40.75) v1(38.25,29.25) v1(38.25,29.25) v1(38.5,40.75) v1(39,29.25) v1(39.25,40.75) v1(39.75,29.25) v1(40,40.75) v1(40.5,29.25) v1(40.75,40.75) v1(41.25,29.25) v1(41.5,40.75) v1(42,29.25) v1(42.75,29.25) v1(45,29.25) v1(45.75,29.25) v1(45.75,29.25) v1(46.5,40.75) v1(46.5,29.25) v1(47.25,40.75) v1(47.25,29.25) v1(48,40.75) v1(48,29.25) v1(48.75,40.75) v1(48.75,29.25) v1(49.5,40.75) v1(49.5,29.25) v1(50.25,40.75) v1(50.25,29.25) v1(50.25,29.25) v1(51,40.75) v1(51.75,40.75) v1(52.5,40.75) v1(52.5,39.5) v1(53.25,40.75) v1(53.25,40.75) v1(54,40.75)
+BATT: length 14
  Top w0.5: C18.1 9.85,25.26 U14.3 9.36,23.54 v2(9.2,23.38) ; D16.2 4.15,19.75 v2(4.4,20)
  Bottom w0.15: v2(4.4,20) 4.4,20.27 2.1,22.57
  Bottom w0.5: v2(4.4,20) 5.83,20 v2(9.2,23.38)
  vias: v2(6.85,17.4)
/AnodeGateDrive1/OUT: length 23.6
  Top w0.15: 61.55,45.01 61.5,45.06 D25.7 ; 61.55,45.01 61.97,45.01 C35.1 ; 61.55,45.01 R30.1 ; v2(76.5,38) 76.55,38.05 77.28,38.05
  In2.Cu w0.15: v2(73.47,37.6) 73.88,38 v2(76.5,38)
  Bottom w0.15: D25.7 63.4,45.1 67.2,45.1 73.47,38.83 v2(73.47,37.6)
/AnodeGateDrive2/OUT: length 33.5
  Top w0.15: D25.8 64,45.06 64.05,45.01 ; v2(81,38) 81.05,38.05 81.78,38.05 ; 64.05,45.01 64.47,45.01 C36.1 ; 64.05,45.01 R32.1
  Bottom w0.15: D25.8 65.5,45.5 67.37,45.5 71.77,41.1 84.32,41.1 85.35,40.08 85.35,39.63 83.72,38 v2(81,38)
/AnodeGateDrive3/OUT: length 26.1
  Top w0.15: R34.1 21.03,44.98 21.5,44.98 ; D25.2 21.5,44.98 ; 21.5,44.98 C37.1 ; v2(3,38) 3.05,38.05 Q55.4
  Bottom w0.15: D25.2 19.5,45 10.58,45 3.58,38 v2(3,38)
/AnodeGateDrive4/OUT: length 25.3
  Top w0.15: R36.1 24,45.01 ; 24,45.01 D25.3 ; 24,45.01 24.47,45.01 C38.1 ; v2(7.7,38.2) 7.86,38.05 Q56.4
  Bottom w0.15: D25.3 21.7,44.7 11.3,44.7 9,42.4 9,39.5 v2(7.7,38.2)
/AnodeGateDrive5/OUT: length 38.6
  Top w0.15: 29,45.01 29.47,45.01 C39.1 ; 29,45.01 R38.1 ; 29,45.01 D25.5 ; Q57.4 12.27,33.55 v2(12.07,33.75)
  Bottom w0.15: D25.5 26.1,44.1 15.29,44.1 14.07,42.88 13.91,42.88 13.2,42.16 13.2,40.5 14.3,39.4 15.33,39.4 17.65,37.08 17.65,33.85 16.8,33 12.82,33 v2(12.07,33.75)
/AnodeGateDrive6/OUT: length 31.1
  Top w0.15: 26.55,45.01 26.97,45.01 C40.1 ; 26.55,45.01 26.5,45.06 D25.4 ; 26.55,45.01 R40.1 ; Q58.4 16.53,33.55 v2(16.48,33.5)
  Bottom w0.15: v2(16.48,33.5) 17.35,34.37 17.35,36.96 15.26,39.05 13.95,39.05 12.9,40.1 12.9,42.29 13.79,43.18 13.95,43.18 15.17,44.4 23.9,44.4 D25.4
/AnodeGateDrive7/OUT: length 28.2
  Top w0.15: 66.55,45.01 66.97,45.01 C41.1 ; 66.55,45.01 R42.1 ; 66.55,45.01 66.5,45.06 D25.9 ; 86.28,38.05 85.55,38.05 v2(85.5,38)
  Bottom w0.15: v2(85.5,38) 85.3,38.2 85.3,39.15 85.65,39.5 85.65,40.23 84.48,41.4 72.1,41.4 D25.9
/AnodeGateDrive8/OUT: length 22.3
  Top w0.15: 19,25.02 19.47,25.02 R44.1 ; 19,25.02 D25.22 ; 19,25.02 C42.1 ; Q60.4 3.05,29.05 v2(3,29)
  Bottom w0.15: v2(3,29) 5.65,29 9.45,25.2 14.67,25.2 15.59,24.29 17.71,24.29 D25.22
/AnodeGateDrive9/OUT: length 20.5
  Top w0.15: Q61.4 7.55,29.05 v2(7.5,29) ; R46.1 21.55,24.99 ; 21.55,24.99 21.03,24.99 C43.1 ; 21.55,24.99 21.5,24.94 D25.21
  Bottom w0.15: D25.21 19.61,24.89 15.84,24.89 13.62,27.1 9,27.1 7.5,28.6 v2(7.5,29)
/AnodeGateDrive10/OUT: length 18
  Top w0.15: 24,24.99 23.53,24.99 C44.1 ; 24,24.99 D25.20 ; 24,24.99 R48.1 ; v2(12.12,29) 12.17,29.05 Q62.4
  Bottom w0.15: D25.20 21.81,25.19 15.96,25.19 12.15,29 v2(12.12,29)
/AnodeGateDrive11/OUT: length 28.6
  Top w0.15: Q63.4 12.05,38.05 v2(12,38) ; D25.19 26.5,24.99 ; 26.5,24.99 26.03,24.99 C45.1 ; 26.5,24.99 R50.1
  Bottom w0.15: v2(12,38) 10.85,36.85 10.85,33.85 12,32.7 14.6,32.7 21.5,25.8 23.7,25.8 D25.19
/AnodeGateDrive12/OUT: length 38.1
  Top w0.15: D25.18 29,24.97 28.95,25.02 ; Q64.4 3.05,33.55 v2(3,33.5) ; 28.95,25.02 29.47,25.02 R52.1 ; 28.95,25.02 C46.1
  In2.Cu w0.15: v2(25.25,22.3) 25.25,23.34 26.03,24.12 27.88,24.12 D25.18
  Bottom w0.15: v2(25.25,22.3) 24.8,21.85 21.06,21.85 20.38,22.53 20.38,23.58 19.36,24.59 15.71,24.59 14.1,26.2 8.95,26.2 3,32.15 v2(3,33.5)
/AnodeGateDrive13/OUT: length 32
  Top w0.15: Q65.4 7.7,33.55 v2(7.65,33.5) 8.34,33.5 9.25,32.59 9.25,32.41 9.96,31.7 16.44,31.7 19.8,28.35 ; C47.1 31.03,24.99 31.5,24.99 ; 31.5,24.99 D25.17 ; 31.5,24.99 R54.1
  Bottom w0.15: v2(19.8,28.35) 21.37,26.78 27.72,26.78 D25.17
/AnodeGateDrive14/OUT: length 28.1
  Top w0.15: Q66.4 76.41,33.55 v2(76.36,33.5) ; D25.16 56.5,24.97 56.55,25.02
  Top w0.2: C48.1 56.97,25.02 R56.1
  Bottom w0.15: D25.16 59.5,26 68.09,26 75.59,33.5 v2(76.36,33.5)
/AnodeGateDrive15/OUT: length 30.2
  Top w0.15: 81.78,33.55 81.05,33.55 v2(81,33.5) ; D25.15 59,25.02
  Top w0.2: R58.1 59.47,25.02 C49.1
  Bottom w0.15: v2(81,33.5) 80.56,33.06 75.57,33.06 68.01,25.5 61.5,25.5 D25.15
/AnodeGateDrive16/OUT: length 32.2
  Top w0.15: D25.14 61.5,25.02 ; v2(85.5,33.5) 85.55,33.55 86.28,33.55
  Top w0.2: R60.1 61.97,25.02 C50.1
  Bottom w0.15: v2(85.5,33.5) 84.5,32.5 75.43,32.5 73.75,30.81 73.75,30.77 67.98,25 63.5,25 D25.14
/AnodeGateDrive17/OUT: length 18.9
  Top w0.15: D25.13 64,24.92 64.1,25.02 ; 77.28,29.05 76.55,29.05 v2(76.5,29)
  Top w0.2: C51.1 64.47,25.02 R62.1
  Bottom w0.15: v2(76.5,29) 72.4,29 67.9,24.5 65.5,24.5 D25.13
/AnodeGateDrive18/OUT: length 20.8
  Top w0.15: v2(81,29) 81.05,29.05 81.78,29.05 ; D25.12 66.5,25.02
  Top w0.2: R64.1 66.97,25.02 C52.1
  Bottom w0.15: D25.12 67.3,23 68.55,24.25 71.77,24.25 74.17,26.65 78.65,26.65 v2(81,29)
/AnodeGateDrive19/OUT: length 22.8
  Top w0.15: 86.28,29.05 85.55,29.05 v2(85.5,29) ; D25.11 69,24.97 69.05,25.02
  Top w0.2: R66.1 69.47,25.02 C53.1
  Bottom w0.15: v2(85.5,29) 82.96,29 80.26,26.3 74.41,26.3 71.11,23 D25.11
/AnodeGateDrive/OUT: length 28.2
  Top w0.15: C34.1 58.53,44.98 R28.1 58.94,45.01 58.95,45 59,45.05 D25.6 ; v2(72,33.5) 72.05,33.55 Q52.4
  Bottom w0.15: v2(72,33.5) 73,34.5 73,38.7 67.15,44.55 60.02,44.55 59,45.57 D25.6
/BOOT0: length 117.8
  Top w0.15: v2(82.55,16.3) 82.3,16.05 82.3,10.47 80.07,8.25 43.87,8.25 43.8,8.31 22.8,8.31 22,9.11 22,10.86 R21.2 22.67,11.41 23.13,11.87 23.13,12.48 23.2,12.56 U15.43
  In2.Cu w0.15: v2(82.55,16.3) 82.55,25.45 86.1,29 86.1,35.1 85.1,36.1 72.93,36.1 v2(72.35,36.67) 72.47,36.8 v2(72.47,44.38)
  Bottom w0.15: v2(72.35,36.67) 72,36.67 SW11.1 70.9,35.58 70.9,35.35 ; v2(72.47,44.38) 72.25,44.15 SW11.1
/BOOT1: length 105.9
  Top w0.15: 23.56,18.15 23.56,19.05 23.6,19.1 23.6,19.7 22.91,20.39 R18.1 22.6,20.14 v2(22.33,19.87) ; C19.1 75.96,21.02 D18.1 74.72,22.22 v2(74.75,22.25) ; v2(18.55,14.1) 17.78,13.33 17.78,8.39 18.45,7.72 43.55,7.72 45.46,5.81 45.46,4.29 J16.6 50.35,7.03 v2(50.35,7.75)
  In2.Cu w0.15: v2(22.33,19.87) 22.33,19.15 21.2,18.03 19.23,18.03 18.93,18.33 18.48,18.33 17.22,17.08 v2(17.22,16.78) ; v2(50.35,7.75) 51.33,8.72 76.12,8.72 79.9,12.5 79.9,17.1 v2(74.75,22.25)
  Bottom w0.15: v2(18.55,14.1) 17.22,15.42 v2(17.22,16.78)
/BZ_3v3: length 57.5
  Top w0.15: U15.38 20.58,13.42 20.25,13.1 v2(20.25,12.55) 20.05,12.35 20.05,10.19 22.23,8.02 43.68,8.02 43.74,7.95 44.34,7.95 J16.5 ; Q11.1 7.65,23.55 v2(8.05,23.95)
  Top w0.25: Q11.1 5.31,25.31 R23.2
  Bottom w0.15: v2(20.25,12.55) 20.12,12.42 19.58,12.42 15.7,16.3 15.7,19.05 15,19.75 10.88,19.75 10.05,20.58 10.05,23.6 9.7,23.95 v2(8.05,23.95)
/F+: length 6.1
  Top w0.25: R20.1 14.29,47 D25.1
/F-: length 7
  Top w0.2: U13.1 v2(69.1,41.4)
  In2.Cu w0.2: v2(69.1,41.4) 69,41.5 D25.10
/FIL_DRIVE_A: length 126.2
  Top w0.15: R13.1 26.3,20.3 v2(26.3,20.85) ; v2(72.53,26.73) 72.78,26.73 73.12,27.07 73.12,27.45 71.58,29 U11.2 69.36,29 68.95,29.41 68.95,29.96 R15.2 69.84,31.15 v2(69.42,31.15) ; v2(20.8,12.55) 20.95,12.7 21.6,12.7 21.81,12.91 U15.39 ; U13.4 71.94,38.67 v2(71.57,38.67)
  In2.Cu w0.15: v2(72.53,26.73) 78.72,26.73 81.55,23.9 81.55,9.7 80.28,8.42 51.73,8.42 50.56,7.25 50.14,7.25 48.72,8.67 28.9,8.67 27.02,10.55 21.05,10.55 21,10.6 21,12.35 v2(20.8,12.55)
  Bottom w0.15: v2(26.3,20.85) 26.3,20.64 25.36,19.7 24.32,19.7 22.32,17.7 19.66,17.7 18.38,16.43 18.38,15.37 20.8,12.95 v2(20.8,12.55) ; v2(69.42,31.15) 69.53,31.25 69.53,36.83 71.37,38.67 v2(71.57,38.67)
